# KiCad board Swadge-HW.kicad_pcb (continued)
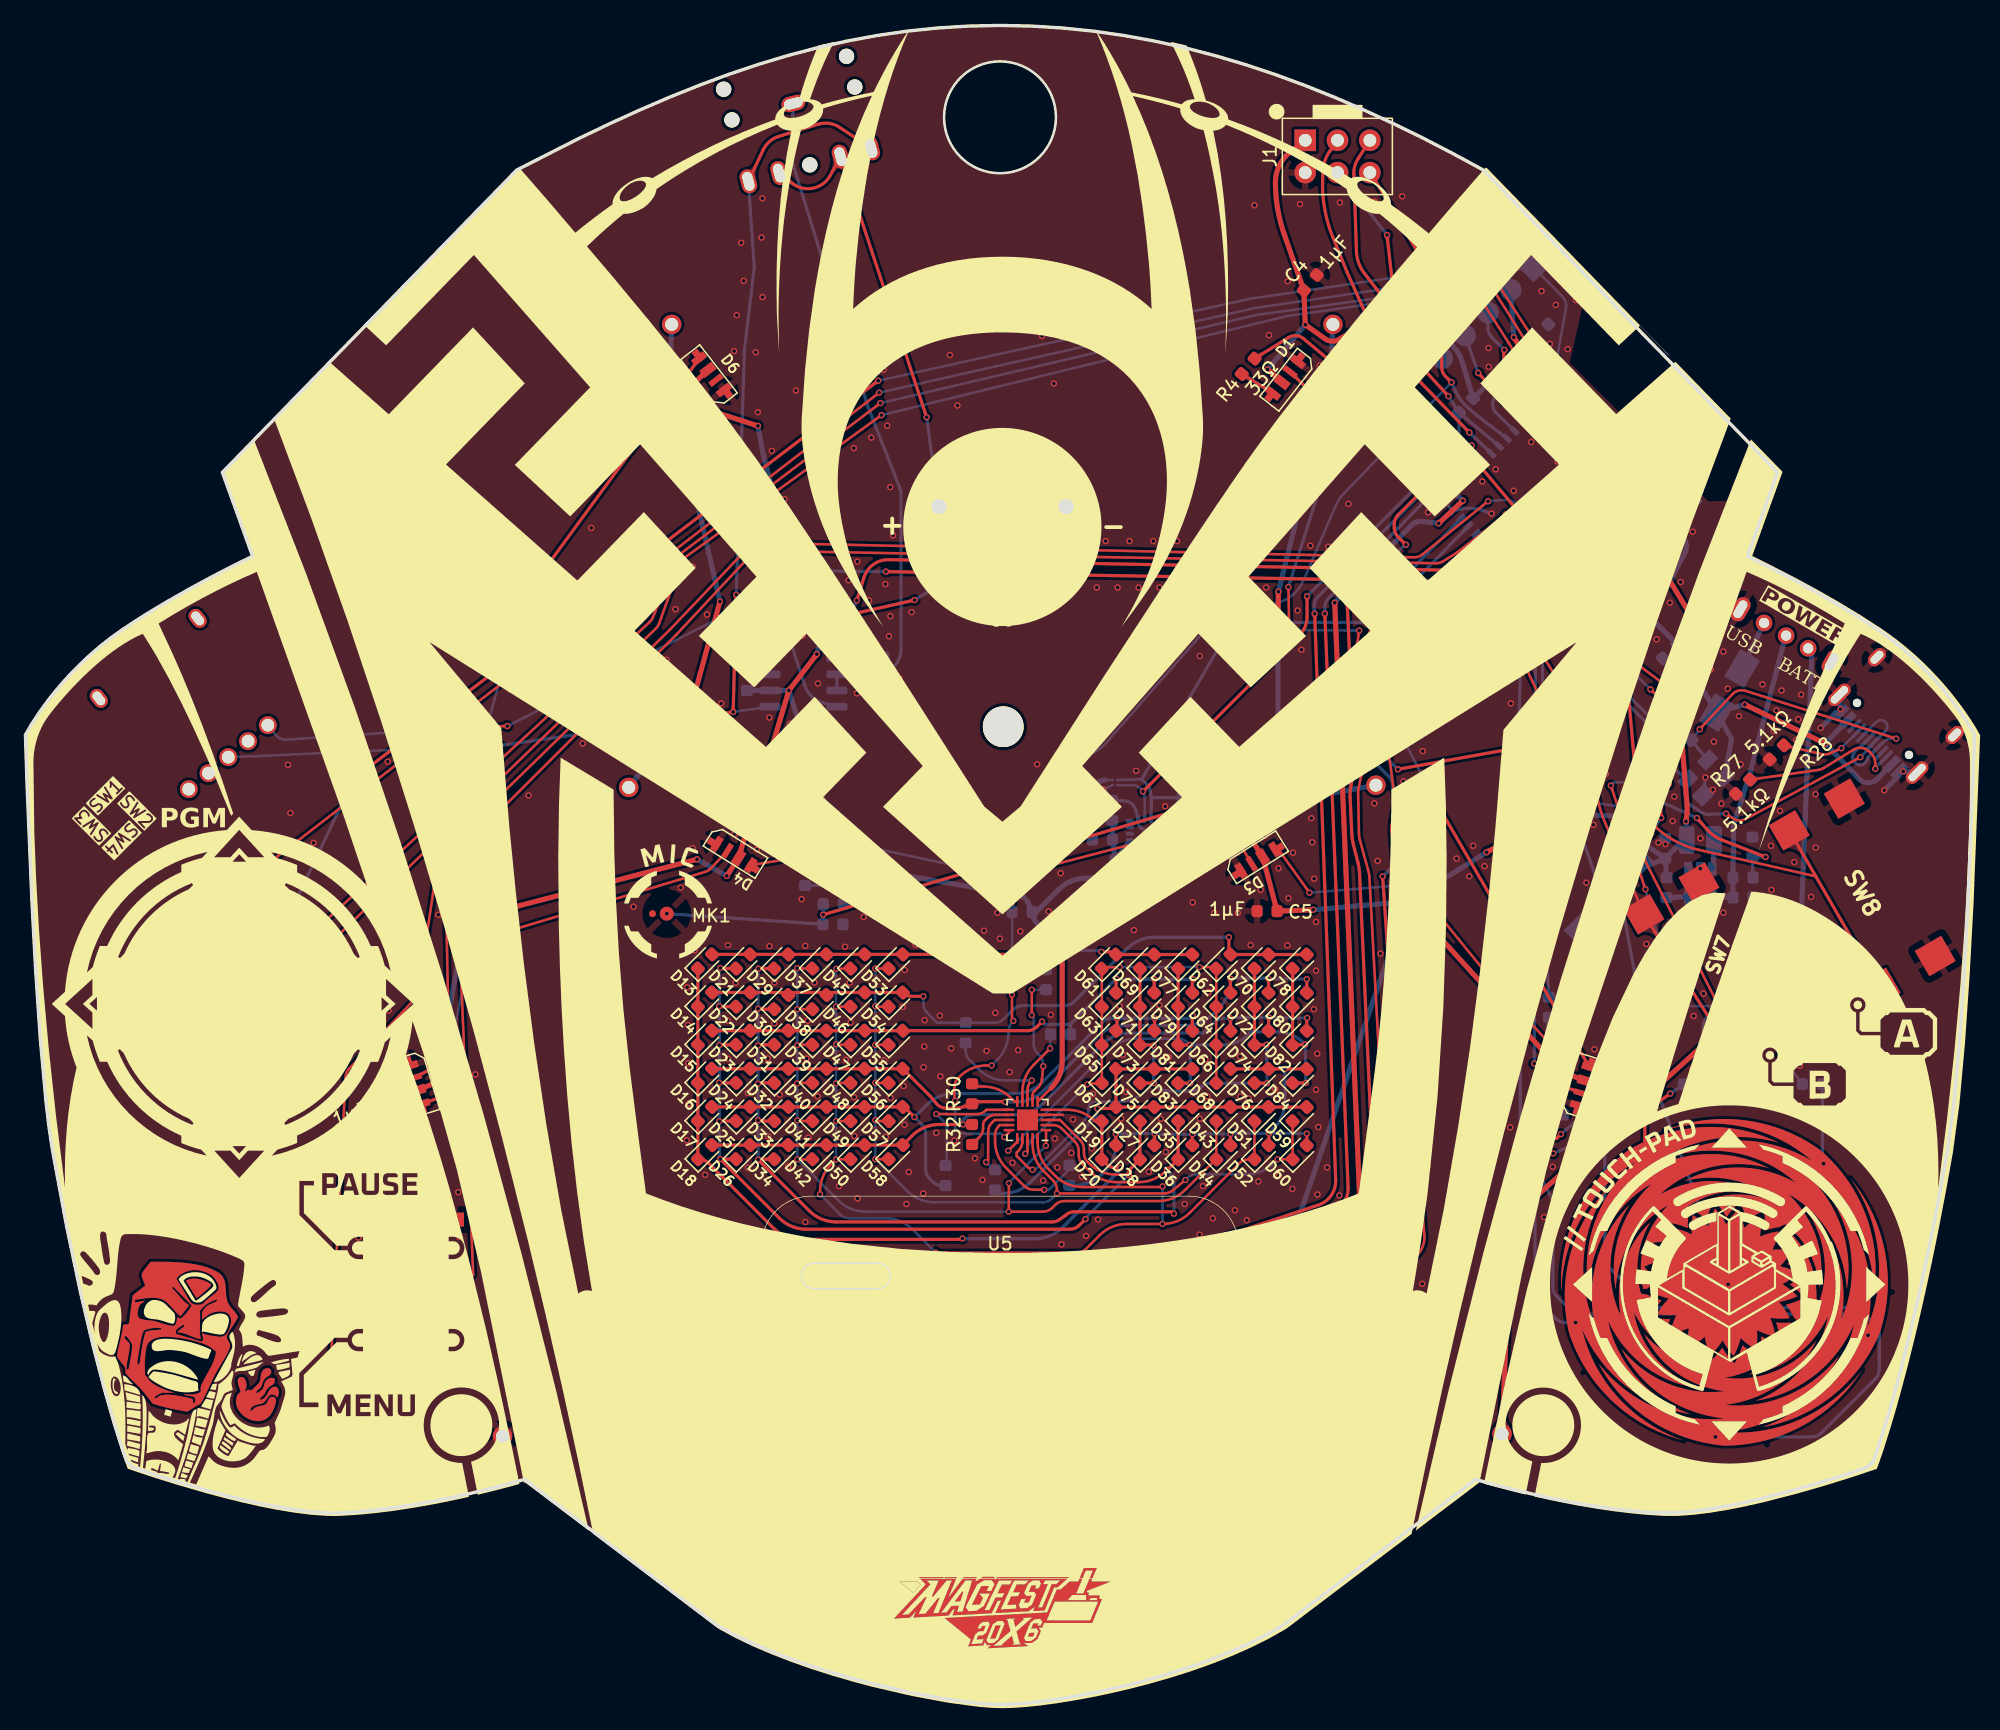
[diagram p0: board, top side]
## Library data of the parts (continued)
U3 = -: Datasheet: https://www.lcsc.com/datasheet/C42420805.pdf; Description: M3410LB-N; Substitutable: Yes; Notes: May be FP6396, M3406, LP3220S, etc...; Cost100: 6.19; LCSC: C42420805; Cost @ 2.5k: 0.0237
U5 = -: Datasheet: https://datasheet.lcsc.com/lcsc/2206141915_HCTL-HC-FPC-03-10-15RLTAG_C3012328.pdf; Digikey: A141392TR-ND; Cost100: 6; Substitutable: Y; LCSC: C3012328; Cost @ 2.5k: 0.0688
U6 = -: Datasheet: https://datasheet.lcsc.com/lcsc/2102261805_STMicroelectronics-LSM6DS3TR-C_C967633.pdf; LCSC: C967633; Cost @ 2.5k: 0.5171
U7 = -: Datasheet: https://datasheet.lcsc.com/lcsc/2110111830_UMW-Youtai-Semiconductor-Co---Ltd--XC6206P282MR_C347374.pdf; LCSC: C347374; Substitutable: Y; Cost @ 2.5k: 0.0123
U8 = -: Datasheet: https://www.lcsc.com/datasheet/lcsc_datasheet_2202252130_Shenzhen-Fuman-Elec-FM8002A_C94625.pdf; Description: Mono Audio Amplifier; LCSC: C94625; Cost @ 2.5k: 0.0258
U9 = -: Datasheet: https://www.lcsc.com/datasheet/lcsc_datasheet_2007231713_INGHAi-GSPK2307P-8R1W_C530531.pdf; Digikey: 102-2500-ND; Substitutable: Y; Cost100: 54; LCSC: C530531; Cost @ 2.5k: 0.412
U10 = -: Datasheet: https://www.lcsc.com/datasheet/lcsc_datasheet_2405091102_QST-QMC6309_C5439871.pdf; Description: 3D MAGNETIC SENSOR 3V3; Cost100: 0.2184; Substitutable: N; LCSC: C5439871
U11 = -: LCSC: C5299908; Cost100: 0.12

## Footprints (pads in the part's own frame, mm; a bottom-side part is the same pattern mirrored in y, then rotated)
2460
  round 1.53 hole 1.02: 1(25.995,0) 2(-25.995,0)
1825232-1
  round 1.3 hole 0.8: 1(-2,0) 2(0,0) 3(2,0)
  oval 1.2x2 hole 0.7x1.5: 4(-4.15,0) 5(4.15,0)
B3FS4002P
  rect 2.3x2.4 smd: 1(6.025,-2.5) 2(-8.275,-2.5) 3(6.025,2.5) 4(-8.275,2.5)
BGA-4-.83x.83
  custom 0.22x0.22 smd: A1(-0.2,0.2) A2(0.2,0.2) B1(-0.2,-0.2) B2(0.2,-0.2)
C_0603_1608Metric
  rrect 0.875x0.95 smd: 1(-0.787,0) 2(0.787,0)
C_Radial_D6.3_L5.8_P5.34
  rect 3.5x1.2 smd: 1(-2.67,0) 2(2.67,0)
D_SMA
  rect 2.5x1.8 smd: 1(-2,0) 2(2,0)
ESP32-S2-MINI-1
  rect 0.8x0.4 smd: 1(-7,5.95) 2(-7,5.1) 3(-7,4.25) 4(-7,3.4) 5(-7,2.55) 6(-7,1.7) 7(-7,0.85) 8(-7,0) 9(-7,-0.85) 10(-7,-1.7) 11(-7,-2.55) 12(-7,-3.4) 13(-7,-4.25) 14(-7,-5.1) 15(-7,-5.95) 31(7,-5.95) 32(7,-5.1) 33(7,-4.25) 34(7,-3.4) 35(7,-2.55) 36(7,-1.7) 37(7,-0.85) 38(7,0) 39(7,0.85) 40(7,1.7) 41(7,2.55) 42(7,3.4) 43(7,4.25) 44(7,5.1) 45(7,5.95)
  rect 0.4x0.8 smd: 16(-5.95,-7) 17(-5.1,-7) 18(-4.25,-7) 19(-3.4,-7) 20(-2.55,-7) 21(-1.7,-7) 22(-0.85,-7) 23(0,-7) 24(0.85,-7) 25(1.7,-7) 26(2.55,-7) 27(3.4,-7) 28(4.25,-7) 29(5.1,-7) 30(5.95,-7) 46(5.95,7) 47(5.1,7) 48(4.25,7) 49(3.4,7) 50(2.55,7) 51(1.7,7) 52(0.85,7) 53(0,7) 54(-0.85,7) 55(-1.7,7) 56(-2.55,7) 57(-3.4,7) 58(-4.25,7) 59(-5.1,7) 60(-5.95,7)
  rect 1.2x1.2 smd: 61(-1.65,-1.65) 61(-1.65,0) 61(0,-1.65) 61(0,0) 61(0,1.65) 61(1.65,-1.65) 61(1.65,0) 61(1.65,1.65)
  custom 1.2x1.2 smd: 61(-1.65,1.65)
  rect 0.8x0.8 smd: 62(-7,7) 63(-7,-7) 64(7,-7) 65(7,7)
HCTL HC-FPC-03-10-15RLTAG-TUCKED
  rect 0.3x0.9 smd far side: 1(-10.104,-4.272) 2(-10.404,-7.352) 3(-10.704,-4.272) 4(-11.004,-7.352) 5(-11.304,-4.272) 6(-11.604,-7.352) 7(-11.904,-4.272) 8(-12.204,-7.352) 9(-12.504,-4.272) 10(-12.804,-7.352) 11(-13.104,-4.272) 12(-13.404,-7.352) 13(-13.704,-4.272) 14(-14.004,-7.352) 15(-14.304,-4.272)
  rect 0.5x1.2 smd far side: 16(-9.404,-4.772) 17(-15.004,-4.772)
INGHAi GSPK2308P-8R0.5W
  round 1.524 hole 1.2: 1(-5,0) 2(5,0)
INGHAi_MIC_GMI4013S-2C58DB
  custom 2.8x0.55 smd: 1(-1.125,0)
  round 1.1 smd: 2(0,0)
L_1008_2520Metric
  rrect 1.25x2.2 smd: 1(-1.075,0) 2(1.075,0)
L_1210_3225Metric
  rrect 1.25x2.65 smd: 1(-1.4,0) 2(1.4,0)
LED_0603_1608Metric
  rrect 0.875x0.95 smd: 1(-0.788,0) 2(0.788,0)
LGA-14_3x2.5mm_P0.5mm_LayoutBorder3x4y
  rrect 0.625x0.3 smd: 1(-1.163,0.75) 2(-1.163,0.25) 3(-1.163,-0.25) 4(-1.163,-0.75) 8(1.163,-0.75) 9(1.163,-0.25) 10(1.163,0.25) 11(1.163,0.75)
  rrect 0.3x0.625 smd: 5(-0.5,-0.912) 6(0,-0.912) 7(0.5,-0.912) 12(0.5,0.912) 13(0,0.912) 14(-0.5,0.912)
MountingHole_3.2mm_M3
  round 3.2 hole 3.2 unplated: (0,0)
PinHeader_1x05_P2.54mm_Vertical
  rect 1.7x1.7 smd: 1(0,0)
  oval 1.7x1.7 smd: 2(0,-2.54) 3(0,-5.08) 4(0,-7.62) 5(0,-10.16)
PinSocket_2x03_P2.54mm_Vertical
  rect 1.7x1.7 hole 1: 1(0,0)
  oval 1.7x1.7 hole 1: 2(-2.54,0) 3(0,-2.54) 4(-2.54,-2.54) 5(0,-5.08) 6(-2.54,-5.08)
PJ-307C
  round 1.2 hole 1.2 unplated: (-5,2.5) (-5,0) (0,-5) (5,0) (5,2.5)
  oval 1.9x1.2 hole 1.5x0.8: 1(0,0)
  oval 1.2x1.9 hole 0.8x1.5: 2(5,-5) 3(2.5,-5) 4(-2.5,-5) 5(-5,-5)
QFN-20-1EP_3x3mm_P0.4mm_EP1.65x1.65mm
  rrect 0.67x0.67 smd: (-0.41,0.41) (-0.41,-0.41) (0.41,0.41) (0.41,-0.41)
  rrect 0.85x0.2 smd: 1(-1.45,0.8) 2(-1.45,0.4) 3(-1.45,0) 4(-1.45,-0.4) 5(-1.45,-0.8) 11(1.45,-0.8) 12(1.45,-0.4) 13(1.45,0) 14(1.45,0.4) 15(1.45,0.8)
  rrect 0.2x0.85 smd: 6(-0.8,-1.45) 7(-0.4,-1.45) 8(0,-1.45) 9(0.4,-1.45) 10(0.8,-1.45) 16(0.8,1.45) 17(0.4,1.45) 18(0,1.45) 19(-0.4,1.45) 20(-0.8,1.45)
  rect 1.65x1.65 smd: 21(0,0)
R_0603_1608Metric
  rrect 0.875x0.95 smd: 1(-0.787,0) 2(0.787,0)
RK10J11E0034
  oval 1.1x1.6 hole 0.7x1.2: (-5,2.5) (5,2.5)
  round 1.4 hole 1: (-2,-7.5) (2,-7.5) 1(-4,-7.5) 2(0,-7.5) 3(4,-7.5)
SK6812_SIDE_2
  rect 1x0.55 smd: 1(-1.8,0.075) 4(1.8,0.075)
  rect 0.55x1.2 smd: 1(-1.575,0) 4(1.575,0)
  rect 0.7x1.2 smd: 2(-0.45,0)
  rect 0.45x1.2 smd: 3(0.575,0)
SOP-8_3.9x4.9mm_P1.27mm
  rrect 1.65x0.6 smd: 1(-2.625,1.905) 2(-2.625,0.635) 3(-2.625,-0.635) 4(-2.625,-1.905) 5(2.625,-1.905) 6(2.625,-0.635) 7(2.625,0.635) 8(2.625,1.905)
SOT-23
  rect 0.9x0.8 smd: 1(-1,0.95) 2(-1,-0.95) 3(1,0)
SOT-23-5
  rect 1.06x0.65 smd: 1(-1.1,0.95) 2(-1.1,0) 3(-1.1,-0.95) 4(1.1,-0.95) 5(1.1,0.95)
SOT-143
  rect 1.4x1.2 smd: 1(-1.1,0.77)
  rect 1.4x1 smd: 2(-1.1,-0.95) 3(1.1,-0.95) 4(1.1,0.95)
Touchpad_6_70
  custom 16.619x13.527 smd: 1(7.796,9.336)
  custom 17.128x13.031 smd: 2(-6.704,9.836)
  custom 11.154x19.907 smd: 3(-11.704,-3.164)
  custom 20.762x9.691 smd: 4(-0.704,-12.164)
  custom 10.947x19.585 smd: 5(11.296,-4.164)
  custom 11.598x11.592 smd: 6(0.296,-0.164)
USB_C_Receptacle_HRO_TYPE-C-31-M-12
  round 0.65 hole 0.65 unplated: (-2.89,2.6) (2.89,2.6)
  rect 0.6x1.45 smd: A1_B12(-3.25,4.045) A4_B9(-2.45,4.045) A9_B4(2.45,4.045) A12_B1(3.25,4.045)
  rect 0.3x1.45 smd: A5(-1.25,4.045) A6(-0.25,4.045) A7(0.25,4.045) A8(1.25,4.045) B5(1.75,4.045) B6(0.75,4.045) B7(-0.75,4.045) B8(-1.75,4.045)
  oval 1x1.6 hole 0.6x1.2: S1(-4.32,-1.05) S1(4.32,-1.05)
  oval 1x2.1 hole 0.6x1.7: S1(-4.32,3.13) S1(4.32,3.13)
YTS-D003-1A
  rect 1.5x1.1 smd: 1(-4,2.25) 2(4,2.25) 3(-4,-2.25) 4(4,-2.25)

## Nets
3V3: C2.1 C3.1 C4.1 C5.1 C6.1 C10.1 C11.1 C15.1 C16.1 C17.1 C21.1 C26.1 D1.2 D2.2 D3.2 D4.2 D5.2 D6.2 J1.1 L3.1 Q1.2 R1.1 R2.2 R5.1 R6.2 R7.1 R8.2 R18.1 R25.2 R35.2 U1.3 U6.5 U6.12 U7.3 U8.6 U10.B1 U11.6
5VIN: D11.4 D12.2 J3.2 P1.A4_B9 P1.A9_B4
+5V: D12.1 SW9.1
GND: BT1.2 C1.2 C2.2 C3.2 C4.2 C5.2 C6.2 C7.2 C9.1 C10.2 C11.2 C12.2 C13.2 C14.1 C15.2 C16.2 C17.2 C19.2 C20.2 C21.2 C22.2 C23.2 C25.2 C26.2 D1.4 D2.4 D3.4 D4.4 D5.4 D6.4 D10.2 D11.1 J1.2 J3.5 MK1.1 P1.A1_B12 P1.A12_B1 P1.S1 R19.1 R22.2 R24.1 R26.2 R27.1 R28.1 SW1.3 SW1.4 SW2.3 SW2.4 SW3.3 SW3.4 SW4.3 SW4.4 SW5.3 SW5.4 SW6.3 SW6.4 SW7.3 SW7.4 SW8.3 SW8.4 SW9.4 SW9.5 U1.1 U1.2 U1.30 U1.42 U1.43 U1.46 U1.47 U1.48 U1.49 U1.50 U1.51 U1.52 U1.53 U1.54 U1.55 U1.56 U1.57 U1.58 U1.59 U1.60 U1.61 U1.62 U1.63 U1.64 U1.65 U3.2 U5.1 U5.6 U5.9 U5.12 U5.13 U5.16 U5.17 U6.1 U6.2 U6.3 U6.6 U6.7 U7.1 U8.7 U10.A1 U11.4 U11.21
BATTMID: BT1.1 BT2.2
BATTMID2: BT2.1 BT3.2
BATTPLUS: BT3.1 SW9.3
BTN_1: J3.1 SW1.1 SW1.2 U1.4
BTN_2: SW2.1 SW2.2 U1.5
BTN_3: SW3.1 SW3.2 U1.6
BTN_4: SW4.1 SW4.2 U1.8
BTN_5: SW5.1 SW5.2 U1.9
BTN_6: SW6.1 SW6.2 U1.12
BTN_7: SW7.1 SW7.2 U1.19
BTN_8: SW8.1 SW8.2 U1.20
C0: D13.1 D14.1 D15.1 D16.1 D17.1 D18.1 D19.1 D20.1 U11.5
C1: D21.1 D22.1 D23.1 D24.1 D25.1 D26.1 D27.1 D28.1 U11.3
C2: D29.1 D30.1 D31.1 D32.1 D33.1 D34.1 D35.1 D36.1 U11.2
C3: D37.1 D38.1 D39.1 D40.1 D41.1 D42.1 D43.1 D44.1 U11.1
C4: D45.1 D46.1 D47.1 D48.1 D49.1 D50.1 D51.1 D52.1 U11.20
C5: D53.1 D54.1 D55.1 D56.1 D57.1 D58.1 D59.1 D60.1 U11.19
C6: D61.1 D62.1 D63.1 D64.1 D65.1 D66.1 D67.1 D68.1 U11.18
C7: D69.1 D70.1 D71.1 D72.1 D73.1 D74.1 D75.1 D76.1 U11.17
C8: D77.1 D78.1 D79.1 D80.1 D81.1 D82.1 D83.1 D84.1 U11.16
CC1: P1.A5 R28.2
CC2: P1.B5 R27.2
EN: C1.1 R1.2 U1.45
GPIO40: J1.5 U1.36
GPIO42: J1.6 R35.1 U1.38 U11.15
LCD28: C19.1 C23.1 C25.1 U5.2 U5.10 U7.2
LED: R4.2 U1.35
MIC: C9.2 MK1.2 R3.2 U1.11
R0: D13.2 D21.2 D29.2 D37.2 D45.2 D53.2 D61.2 D69.2 D77.2 R20.1
R1: D14.2 D22.2 D30.2 D38.2 D46.2 D54.2 D62.2 D70.2 D78.2 R23.1
R2: D15.2 D23.2 D31.2 D39.2 D47.2 D55.2 D63.2 D71.2 D79.2 R29.1
R3: D16.2 D24.2 D32.2 D40.2 D48.2 D56.2 D64.2 D72.2 D80.2 R30.1
R4: D17.2 D25.2 D33.2 D41.2 D49.2 D57.2 D65.2 D73.2 D81.2 R31.2
R5: D18.2 D26.2 D34.2 D42.2 D50.2 D58.2 D66.2 D74.2 D82.2 R32.2
R6: D19.2 D27.2 D35.2 D43.2 D51.2 D59.2 D67.2 D75.2 D83.2 R33.2
R7: D20.2 D28.2 D36.2 D44.2 D52.2 D60.2 D68.2 D76.2 D84.2 R34.2
RX: J3.4 U1.40
SCL: J1.4 R6.1 U1.37 U6.13 U10.A2
SDA: J1.3 R18.2 U1.7 U6.14 U10.B2
SNODE: C7.1 R21.2 SW9.2 U3.1 U3.4
SPK: C18.2 U1.21
SPK_SHDN: R5.2 U1.22 U8.1
TFT_CS: U1.29 U5.3
TFT_FMARK: U1.28 U5.11
TFT_LEDA: C22.1 L1.2 U5.14 U5.15
TFT_RESET: U1.34 U5.4
TFT_RS: R26.1 U1.25 U5.5
TFT_SCL: U1.32 U5.7
TFT_SDA: U1.33 U5.8
TFTATP: Q1.1 R7.2 U1.31
TOUCH_1: R10.1 U1.13
TOUCH_2: R11.1 U1.14
TOUCH_3: R17.1 U1.15
TOUCH_4: R16.1 U1.16
TOUCH_5: R12.1 U1.17
TOUCH_6: R15.1 U1.18
TX: J3.3 U1.39
USB_D+: R13.1 U1.24
USB_D-: R14.1 U1.23
VMON: R21.1 R22.1 U1.10
Net-(C18-Pad1): C18.1 R9.1
Net-(C20-Pad1): C20.1 R2.1 R3.1
Net-(D1-IN): D1.1 R4.1
Net-(D1-OUT): D1.3 D2.1
Net-(D2-OUT): D2.3 D3.1
Net-(D3-OUT): D3.3 D4.1
Net-(D4-OUT): D4.3 D5.1
Net-(D5-OUT): D5.3 D6.1
Net-(D6-OUT): D6.3
Net-(D10-K): D10.1 L1.1 Q1.3
Net-(J2-Pad1): J2.1 R19.2
Net-(P1-DN1): D11.2 P1.A7 P1.B7 R14.2
Net-(P1-DP1): D11.3 P1.A6 P1.B6 R13.2
Net-(U3-FB): R24.2 R25.1 U3.5
Net-(U3-LX): L3.2 U3.3
Net-(U4-Bottom): R10.2 U4.1
Net-(U4-Center): R17.2 U4.6
Net-(U4-Left): R16.2 U4.5
Net-(U4-Right): R11.2 U4.2
Net-(U4-Top_Left): R15.2 U4.4
Net-(U4-Top_Right): R12.2 U4.3
Net-(U6-VDD): C12.1 C13.1 R8.1 U6.8
Net-(U8-Bypass): C14.2 U8.2 U8.3
Net-(U8-IN-): R9.2 RV1.1 U8.4
Net-(U8-VO1): J2.2 J2.5 RV1.2 U8.5
Net-(U8-VO2): U8.8 U9.2
Net-(U9-+): J2.3 J2.4 U9.1
Net-(U11-PC0/T2CH3/UTX/NSS/T1CH3): R20.2 U11.7
Net-(U11-PC1/SDA/NSS/T2CH4/T2CH1ETR/T1BKIN/URX): R23.2 U11.8
Net-(U11-PC2/SCL/URTS/T1BKIN/AETR/T2CH2/T1ETR): R29.2 U11.9
Net-(U11-PC3/T1CH3/T1CHIN/UCTS): R30.2 U11.10
Net-(U11-PC4/A2/T1CH4/MCO/T1CH1CH2N): R31.1 U11.11
Net-(U11-PC5/SCK/T1ETR/T2CH1ETR/SCL/UCK/T1CH3): R32.1 U11.12
Net-(U11-PC6/MOSI/T1CH1CH3/UCTS/SDA): R33.1 U11.13
Net-(U11-PC7/MISO/T1CH2/T2CH2/URTS): R34.1 U11.14

Pads without a net: P1 A8 B8; RV1 3; U1 26 27 41 44; U6 4 9 10 11

## Via types
v1: diameter 0.5, hole 0.3, Top to Bottom, 846 vias

## Routing (per net, layer and track width the routed paths; a pad name or vN(x,y) marks a point on that pad's centre or on a via; arc(x,y) is an arc through that point)
3V3: length 380.7
  Top w0.2: U11.6 80.64,48.49
  Top w0.4: 53.77,105.09 52.47,103.86 arc(52.18,102.94) 52.79,102.2 53.63,101.87 v1(57.6,100.59) ; D2.2 121.05,49.7 arc(120.84,49.81) 120.65,49.97 v1(108.66,63.18) ; v1(96.25,68.28) 97.02,67.09 arc(97.25,66.67) 97.41,66.22 C5.1 v1(101.26,62.53) ; 98.81,104.05 v1(97.66,105.03) ; v1(62.23,82.64) v1(60.03,79.78) 56.2,67.04 arc(56.05,66.64) 55.85,66.27 v1(55.15,65.19) ; 100.68,123.08 99.46,122.15 arc(98.59,121.1) 98.28,119.77 98.28,119.77 arc(98.46,117.68) 98.98,115.65 C4.1 v1(100.63,108.55) 102.19,107.44 arc(102.74,107.25) 103.3,107.4 v1(104.96,108.43) ; v1(130.57,69.48) 130.65,70.15 arc(130.66,70.44) 130.66,70.73 v1(130.03,78.46) ; v1(119.81,100.28) v1(117.72,103.43) ; v1(120.43,70.08) v1(114.89,67.05) ; C17.1 D5.2 v1(32.26,48.93) ; v1(126.84,67.99) v1(126.27,69.86) ; v1(128.55,93.58) 125.38,95.88 arc(125.25,95.99) 125.14,96.12 v1(122.44,100.48) ; v1(99.38,36.19) v1(88.64,30.1) ; v1(34.65,61.76) v1(52.81,66.5) ; v1(60.33,89.13) v1(61.69,86.05) ; v1(80.08,60.94) 80.08,60.86 80.64,60.3 arc(81.29,59.32) 81.52,58.18 81.52,50.61 arc(81.29,49.47) 80.64,48.49
  Bottom w0.2: U10.B1 84.92,72.73
  Bottom w0.25: R8.2 86.36,71.11 arc(86.95,70.9) 87.3,70.38 U6.12 87.51,69.32 arc(87.58,69.11) 87.73,68.95 88.29,68.61 arc(88.43,68.47) 88.48,68.29 U6.5 88.55,67.75 arc(88.77,67.47) 89.09,67.3 89.21,67.27 arc(89.4,67.19) 89.58,67.07 C10.1
  Bottom w0.4: R35.2 78.83,63.1 arc(78.53,63.48) 78.08,63.68 R2.2 v1(60.03,79.78) U8.6 C15.1 ; R35.2 79.48,62.36 81.25,64.13 arc(82.22,64.78) 83.37,65.01 87.64,65.01 arc(88.79,65.24) 89.76,65.89 C10.1 R18.1 v1(96.25,68.28) ; R35.2 79.16,62.27 arc(79.24,61.89) 79.45,61.57 v1(80.08,60.94) ; C16.1 U7.3 ; U7.3 v1(88.64,30.1) ; U7.3 87.28,26.47 arc(86.61,24.87) 85.12,24.01 R7.1 Q1.2 C11.1 ; v1(32.26,48.93) v1(34.65,61.76) ; v1(101.26,62.53) v1(108.66,63.18) ; v1(108.66,63.18) v1(99.38,36.19) ; v1(108.66,63.18) v1(114.89,67.05) ; C26.1 C6.1 ; C6.1 130.39,68.02 L3.1 v1(130.57,69.48) ; C6.1 v1(126.84,67.99) ; C6.1 R25.2 ; v1(104.96,108.43) 109.4,109.12 arc(109.88,109.1) 110.29,108.85 112.18,106.94 arc(112.67,106.31) 112.99,105.57 R6.2 R1.1 v1(117.72,103.43) ; v1(126.27,69.86) v1(120.43,70.08) ; v1(128.55,93.58) U1.3 130.3,91.83 arc(130.59,91.27) 130.5,90.65 C3.1 C2.1 v1(130.03,78.46) ; v1(61.69,86.05) R5.1 v1(62.23,82.64) ; v1(60.33,89.13) 57.99,98.45 arc(57.98,98.48) 57.97,98.51 v1(57.6,100.59) ; v1(97.66,105.03) v1(100.63,108.55) ; v1(52.81,66.5) v1(55.15,65.19) ; R8.2 C21.1 83.93,71.73 arc(84.22,72.43) 84.92,72.73 ; v1(122.44,100.48) v1(119.81,100.28)
5VIN: length 62.6
  Top w0.4: v1(132.16,83.69) 127.58,91.22 arc(127.47,91.39) 127.35,91.55 125.29,94.1 arc(125.17,94.25) 125.07,94.42 v1(117.03,107.57) ; v1(135.19,78.67) v1(141.51,75.61)
  Bottom w0.4: v1(135.19,78.67) D12.2 ; D12.2 131.52,80.44 v1(132.16,83.69) ; D12.2 134.15,75.96 133.6,72.96 ; P1.A4_B9 v1(141.51,75.61) 144.17,72.83 arc(144.89,72.52) 145.61,72.82 P1.A9_B4 ; J3.2 v1(117.03,107.57)
+5V: length 4
  Bottom w0.4: SW9.1 D12.1
GND: length 27.8
  Top w0.2: U11.21 78.9,46.1 arc(79.22,46.32) 79.6,46.39 U11.4 81.58,46.39
  Bottom w0.2: v1(67.89,20.79) 67.29,20.19 U5.16 U5.1 66.54,19.77 65.78,19.63 ; U10.A1 v1(84.75,72)
  Bottom w0.25: v1(132.09,72.94) D11.1 132.34,71.96 v1(132.69,71.96) ; U6.6 U6.7 C12.2 C10.2 ; U1.64 U1.30 112.92,94.06 arc(113.72,94.12) 114.51,93.96 v1(115.28,93.7) ; v1(128.4,67.81) 128.74,68.15 C6.2 128.95,68.15 v1(128.95,67.69) ; v1(65.02,17.61) v1(65.04,16.76)
  Bottom w0.4: P1.S1 v1(142.72,78.31) P1.A1_B12 142.35,78.03 v1(141.15,76.83) ; U8.7 C15.2 ; v1(146.16,71.93) 147.33,73.11 P1.A12_B1 v1(147.65,73.41) P1.S1
  vias: v1(9.03,55.6) v1(10.92,57.47) v1(13.96,48.77) v1(14.19,60.28) v1(15.74,66.17) v1(16.81,55.06) v1(17.59,63.8) v1(17.69,52.24) v1(20.64,73.93) v1(20.82,70.14) v1(20.83,56.76) v1(22.07,55.66) v1(22.33,50.16) v1(22.54,52.44) v1(22.65,67.79) v1(23.8,75.47) v1(24.18,76.96) v1(25.34,54.43) v1(25.53,32.36) v1(25.68,64.91) v1(26.05,49.34) v1(26.19,36.74) v1(26.63,74.34) v1(26.72,52.4) v1(27.23,25.76) v1(27.96,62.75) v1(28.48,74.18) v1(28.55,54.6) v1(29.19,48.93) v1(29.82,77.34) v1(29.9,46.67) v1(29.95,56.4) v1(30.62,75.8) v1(31.41,74.47) v1(31.53,55.39) v1(32.23,25.66) v1(32.3,78.98) v1(32.37,70.89) v1(32.46,62.14) v1(33.28,77.81) v1(33.71,49.2) v1(34.03,40.31) v1(34.1,36.81) v1(34.21,34.81) v1(34.41,32.53) v1(34.69,66.58) v1(34.81,62.75) v1(34.84,28.74) v1(35.07,74.41) v1(35.38,49.58) v1(35.6,40.33) v1(35.67,77.65) v1(35.68,59.18) v1(37.17,82.61) v1(38.07,79.88) v1(39.44,84.23) v1(39.56,71.52) v1(42.66,83.26) v1(43,94.11) v1(43.82,75.61) v1(44.49,92.57) v1(44.85,88.41) v1(45.53,85.06) v1(45.56,77.43) v1(47.01,90) v1(47.81,62.77) v1(48.71,108.81) v1(49.41,103.01) v1(49.61,88.6) v1(50.4,82.2) v1(50.44,100.84) v1(51.11,86.18) v1(51.53,64.26) v1(51.6,105.19) v1(52.03,56.42) v1(52,44.39) v1(52.09,53.46) v1(52.12,50.46) v1(52.16,47.28) v1(52.46,89.52) v1(52.46,67.37) v1(52.62,59.34) v1(53.44,41.67) v1(53.59,85.75) v1(54.2,77.19) v1(54.69,78.76) v1(54.96,84.76) v1(55.24,59.75) v1(55.24,53.8) v1(55.24,50.81) v1(55.72,106.48) v1(55.77,68.5) v1(55.84,56.78) v1(55.93,109.31) v1(56.28,115) v1(56.48,112) v1(56.75,82.92) v1(56.81,48.11) v1(56.81,42.23) v1(57.1,98.04) v1(57.42,106.38) v1(57.51,67.26) v1(57.59,101.67) v1(57.76,89.89) v1(57.87,115.41) v1(57.95,118.5) v1(57.95,110.73) v1(58.3,93.92) v1(58.26,86.29) v1(58.37,50.83) v1(58.4,44.71) v1(58.49,77.65) v1(58.5,59.67) v1(58.63,92.17) v1(58.69,98.63) v1(58.89,56.81) v1(58.88,53.59) v1(59.09,35.9) v1(59.31,47.98) v1(59.47,83.45) v1(59.69,94.83) v1(59.97,42.32) v1(60.11,77.16) v1(60.58,103.38) v1(60.57,92.03) v1(60.61,85.65) v1(61.03,63.36) v1(61.12,84.11) v1(61.32,59.69) v1(61.33,37.96) v1(61.43,50.83) v1(61.51,53.8) v1(61.58,44.61) v1(61.57,22.29) v1(61.66,78.28) v1(61.75,18.51) v1(61.91,104.28) v1(62.04,56.8) v1(62.32,80.33) v1(62.28,47.86) v1(62.45,101.41) v1(62.61,86.15) v1(62.67,67.82) v1(63.09,22.56) v1(63.28,105.26) v1(63.26,24.95) v1(63.59,19.07) v1(63.68,102.43) v1(63.97,40.79) v1(64.37,26.55) v1(64.45,59.62) v1(64.51,50.72) v1(64.72,88.45) v1(64.74,68.45) v1(64.82,56.79) v1(64.87,103.47) v1(64.88,53.66) v1(65.14,98.85) v1(65.15,47.79) v1(65.18,44.73) v1(65.41,89.92) v1(65.38,79.55) v1(65.43,39.82) v1(65.46,85.19) v1(65.91,61.96) v1(66.19,24.89) v1(66.2,22.71) v1(66.33,86.86) v1(66.52,107.29) v1(66.51,99.67) v1(67.16,18.32) v1(67.48,105.01) v1(67.52,50.69) v1(67.62,88.15) v1(67.66,44.66) v1(67.76,100.61) v1(67.9,84.04) v1(68,95.78) v1(68.01,85.63) v1(68.02,47.73) v1(68.22,91.98) v1(68.38,62.73) v1(68.7,26.62) v1(68.75,80.69) v1(68.98,54.88) v1(69.05,48.66) v1(69.12,45.61) v1(69.11,20.17) v1(69.14,57.79) v1(69.27,39.38) v1(69.46,41.9) v1(69.54,24.96) v1(69.66,91.92) v1(69.68,85.94) v1(70,59.77) v1(70.57,61.96) v1(70.62,50.13) v1(70.6,40.21) v1(70.71,53.84) v1(70.68,51.77) v1(70.79,95.5) v1(70.8,88.28) v1(71.14,18.81) v1(71.38,22.57) v1(71.62,44.98) v1(71.9,54.2) v1(71.87,24.98) v1(71.94,49.43) v1(72.13,21.35) v1(72.22,62.58) v1(72.55,26.47) v1(72.69,106.17) v1(72.79,51.63) v1(73.02,18.66) v1(73.05,44.37) v1(73.13,29.36) v1(73.14,21.02) v1(73.28,102.2) v1(74.37,87.88) v1(74.38,58.35) v1(74.56,27.93) v1(74.66,42.98) v1(75.26,41.28) v1(75.37,60.88) v1(75.57,51.43) v1(75.83,31.18) v1(76.01,87.88) v1(76.26,54.42) v1(76.43,62.29) v1(76.62,60.26) v1(77.39,49.76) v1(77.49,30.33) v1(77.61,42.63) v1(77.66,87.88) v1(77.93,67.51) v1(78.05,51.49) v1(78.23,60.83) v1(79.3,87.88) v1(79.24,28.24) v1(79.35,93.78) v1(79.55,73.97) v1(79.61,25.82) v1(79.82,68.06) v1(79.93,107.67) v1(80.02,41.23) v1(80.45,62.4) v1(80.63,54.26) v1(80.86,103.93) v1(80.95,87.88) v1(80.95,44.53) v1(81.13,42.26) v1(81.36,72.86) v1(81.4,65.41) v1(81.47,36.2) v1(81.47,30.72) v1(81.48,27.02) v1(81.86,60.33) v1(82.24,43.4) v1(82.37,46.03) v1(82.59,87.88) v1(82.92,62.18) v1(83.07,91.53) v1(83.08,41.54) v1(83.06,30.76) v1(83.4,36.87) v1(83.37,26.31) v1(83.93,48.02) v1(83.84,43.76) v1(84.18,34.3) v1(84.24,87.88) v1(84.34,38.16) v1(84.68,32.05) v1(84.94,91.53) v1(85.88,87.88) v1(86.04,54.96) v1(86.15,46.09) v1(86.29,51.12) v1(86.37,29.56) v1(86.56,48.2) v1(86.81,91.53) v1(87.16,60.93) v1(87.33,73.46) v1(87.53,87.88) v1(88.03,66.45) v1(88.33,41.92) v1(88.68,91.53) v1(89.03,109.77) v1(89.17,87.88) v1(89.17,55.01) v1(89.28,46.08) v1(89.37,63.94) v1(89.61,70.67) v1(89.67,43.47) v1(89.79,74.81) v1(89.79,32.1) v1(89.9,50.94) v1(90.13,67.82) v1(90.35,106.3) v1(90.37,26.15) v1(90.54,91.53) v1(90.82,87.88) v1(91.15,39.38) v1(91.42,83.88) v1(91.78,63.11) v1(92.03,28.53) v1(92.32,36.97) v1(92.41,91.53) v1(92.34,82.49) v1(92.34,46.08) v1(92.46,87.88) v1(92.59,40.79) v1(92.79,50.74) v1(93.01,56.07) v1(92.94,47.85) v1(93.37,38.26) v1(93.48,62.29) v1(93.96,68.54) v1(94.1,87.88) v1(94.28,91.53) v1(95.1,38.89) v1(95.33,62.27) v1(95.42,69.95) v1(95.38,28.47) v1(95.5,50.99) v1(95.54,47.83) v1(95.75,87.88) v1(95.87,84.2) v1(95.97,56.23) v1(96.04,38.1) v1(96.15,91.53) v1(96.17,47.68) v1(96.33,59.75) v1(96.63,117.95) v1(96.86,30.96) v1(96.94,41.15) v1(97.12,64.1) v1(97.45,68.35) v1(97.55,87.88) v1(97.78,107.73) v1(97.8,85.76) v1(98.02,91.53) v1(98.28,48.41) v1(98.26,36.61) v1(98.53,65.79) v1(98.54,41.59) v1(99.23,59.73) v1(99.25,111.98) v1(99.31,63.43) v1(99.3,32.19) v1(99.62,40.57) v1(99.67,67.02) v1(100.03,86.07) v1(100.21,118.04) v1(100.16,30.75) v1(100.33,82.98) v1(100.48,74.5) v1(100.72,78.22) v1(101.03,91.17) v1(101.11,69.73) v1(101.18,67.84) v1(101.33,64.97) v1(101.31,54.71) v1(101.48,61.57) v1(101.48,57.74) v1(101.48,48.37) v1(101.58,51.21) v1(101.59,40.13) v1(101.66,97.34) v1(101.67,45.43) v1(101.78,105.35) v1(102.43,91.09) v1(102.35,42.25) v1(102.76,31.22) v1(102.91,102.06) v1(102.95,34.01) v1(103.31,40.05) v1(103.35,118.17) v1(103.63,106.78) v1(103.89,38.69) v1(104.03,94.46) v1(105.13,37.94) v1(105.64,106.89) v1(106.09,118.24) v1(106.06,70.9) v1(106.21,109.35) v1(106.32,66.38) v1(106.28,37.28) v1(106.54,59.09) v1(106.9,53.32) v1(107.05,103.72) v1(107.15,81.56) v1(107.43,44.66) v1(107.6,36.69) v1(107.81,75.2) v1(108.2,51.88) v1(108.25,118.65) v1(108.33,68.8) v1(108.36,72.63) v1(108.38,65.32) v1(108.83,101.86) v1(108.76,44.62) v1(108.99,61.48) v1(109.07,36.07) v1(109.3,113.25) v1(109.4,54.61) v1(109.75,48.45) v1(109.83,33.1) v1(109.87,75.01) v1(109.88,65.25) v1(109.99,99.55) v1(110.07,109.86) v1(110.29,93.79) v1(110.25,42.37) v1(110.38,107.33) v1(110.54,73.31) v1(111.02,63.68) v1(111.58,99.01) v1(111.74,86.46) v1(111.92,108.49) v1(112.53,66.56) v1(113.53,65.16) v1(113.59,110.18) v1(113.74,90.6) v1(113.83,67.56) v1(114.04,114.02) v1(114.55,96.22) v1(114.73,65.96) v1(115.04,106.72) v1(115.06,105.23) v1(115.61,97.18) v1(115.75,113.47) v1(116.24,91.5) v1(116.52,86.83) v1(116.67,74.53) v1(116.73,67.06) v1(116.68,59.87) v1(116.64,56.44) v1(116.71,53.15) v1(116.8,78.76) v1(116.74,62.45) v1(116.74,45.41) v1(116.81,39.47) v1(117.02,95.49) v1(117.28,102.57) v1(118.03,67.56) v1(118.07,78.18) v1(118.07,72.02) v1(118.09,56.28) v1(118.07,37.52) v1(118.39,99.33) v1(119.13,88.16) v1(119.21,111.2) v1(119.23,27.66) v1(119.41,38.35) v1(119.87,107.05) v1(119.93,68.86) v1(119.99,70.88) v1(119.99,64.15) v1(120.09,42.31) v1(120.33,110.11) v1(120.37,112.56) v1(120.41,83.62) v1(120.47,97.79) v1(120.44,75.01) v1(120.96,77.59) v1(121.27,106.63) v1(121.26,57.55) v1(121.55,51.35) v1(121.92,110.49) v1(122.1,76.47) v1(122.53,87.56) v1(122.51,83.68) v1(122.73,64.66) v1(123.28,69.21) v1(123.36,51.55) v1(123.41,42.98) v1(123.61,88.61) v1(123.59,79.94) v1(124.28,90.95) v1(124.26,73.21) v1(124.43,20.96) v1(124.87,65.61) v1(125.03,78.41) v1(125.03,61.46) v1(125.68,71.23) v1(125.82,67) v1(126.06,94.53) v1(126.15,87.66) v1(126.19,85.93) v1(126.32,47.93) v1(127.18,82.81) v1(127.41,92.77) v1(127.43,49.06) v1(127.46,59.84) v1(127.73,89.25) v1(128.25,83.8) v1(128.73,50.16) v1(128.94,90.41) v1(129.3,86.68) v1(129.4,60.59) v1(129.52,69.51) v1(129.64,71.43) v1(129.77,91.21) v1(130.15,88.31) v1(130.81,82.52) v1(131.09,92.27) v1(131.06,60.6) v1(131.06,49.93) v1(131.17,54.17) v1(131.24,79.14) v1(131.7,68.15) v1(131.69,65.76) v1(131.94,55.93) v1(132.51,81.43) v1(132.76,75.75) v1(132.76,51.61) v1(133.2,48.43) v1(133.34,70.88) v1(133.51,82.84) v1(133.5,62.3) v1(133.86,79.92) v1(134.73,77.76) v1(134.83,55.92) v1(134.87,73.97) v1(135.05,53.64) v1(135.64,48.07) v1(136.35,54.77) v1(136.58,80.26) v1(137.25,67.56) v1(137.29,64.09) v1(137.46,76.6) v1(137.68,78.21) v1(137.96,70.31) v1(138.08,79.78) v1(138.61,59.4) v1(139.08,66.28) v1(139.24,75.9) v1(139.41,77.52) v1(139.53,50.26) v1(139.62,79.45) v1(140.26,58.42) v1(140.4,63.54) v1(140.53,47.86) v1(140.73,46.36) v1(140.73,19.76) v1(140.76,71.62) v1(140.77,67.42) v1(142.23,45.56) v1(148.53,35.46)
BATTMID: length 38.6
  Top w0.4: v1(54.61,86.78) v1(52.33,78.45)
  Bottom w0.4: v1(54.61,86.78) 50.63,103.99 50.81,108.33 ; v1(52.33,78.45) 47.43,72.15
BATTMID2: length 45.3
  Top w0.4: v1(98.46,83.68) v1(98.52,87.56)
  Bottom w0.4: BT2.1 102.62,103.99 v1(98.52,87.56) ; BT3.2 99.66,71.16 arc(98.84,71.38) 98.48,72.15 98.48,83.66 v1(98.46,83.68)
BATTPLUS: length 71.7
  Top w0.4: v1(138.87,58.18) 118.35,39.57 arc(117.18,37.99) 116.71,36.07 BT3.1
  Bottom w0.4: SW9.3 140.47,82.78 139.53,59.59 arc(139.34,58.81) v1(138.87,58.18)
BTN_1: length 146.8
  Top w0.2: v1(125.85,96.58) 124.01,100.72 v1(120.4,105.77) ; SW1.1 SW1.2 v1(67.13,103.21)
  Bottom w0.2: v1(67.13,103.21) 96.64,109.86 arc(96.68,109.87) 96.72,109.88 J3.1 120.86,110.74 arc(121.1,110.33) 121.13,109.87 v1(120.4,105.77) ; v1(125.85,96.58) U1.4
BTN_2: length 144
  Top w0.2: v1(67.23,102.39) 51.53,90.56 arc(51.34,90.37) 51.21,90.13 49.33,85.53 arc(49.23,85.33) 49.08,85.17 24.28,62.29 arc(24.27,62.28) 24.26,62.27 SW2.1 SW2.2 ; v1(113.72,111.67) 116.64,107.1 arc(116.65,107.09) 116.66,107.08 v1(125.28,93.01)
  Bottom w0.2: v1(67.23,102.39) 96.72,109.31 arc(96.77,109.32) 96.81,109.33 v1(113.72,111.67) ; v1(125.28,93.01) U1.5
BTN_3: length 159.6
  Top w0.2: v1(67.31,101.44) 51.88,90.26 arc(51.67,90.05) 51.52,89.79 49.83,85.05 arc(49.73,84.84) 49.58,84.67 v1(24.04,59.99) ; v1(126.28,91.84) 126.07,92.09 arc(125.75,92.34) 125.36,92.44 124.88,92.47 v1(121.03,98.41) ; v1(120.83,102.63) 116.78,109.15 116.77,109.17 v1(115.42,111.28)
  Top w0.25: SW3.2 v1(10.26,52.81) SW3.1
  Bottom w0.2: U1.6 v1(126.28,91.84) ; v1(115.42,111.28) 106.45,110.28 arc(106.44,110.28) 106.42,110.27 99.35,109.26 arc(99.31,109.25) 99.27,109.24 96.88,108.68 v1(67.31,101.44) ; v1(120.83,102.63) 119.94,101.76 arc(119.91,101.74) 119.89,101.71 119.43,101.19 arc(119.23,100.85) 119.19,100.46 119.2,100.25 arc(119.27,99.95) 119.43,99.68 119.67,99.4 arc(119.76,99.3) 119.87,99.21 v1(121.03,98.41) ; v1(24.04,59.99) v1(10.26,52.81)
BTN_4: length 159.2
  Top w0.2: v1(114.76,113.32) 119.67,105.75 119.69,105.71 v1(123.39,100.51)
  Top w0.25: v1(19.66,59.87) SW4.1 SW4.2 ; v1(25.82,72.86) v1(67.05,104.15)
  Bottom w0.2: v1(114.76,113.32) 96.3,110.59 arc(96.27,110.59) 96.23,110.58 v1(67.05,104.15) ; v1(123.39,100.51) 124.73,95.78 arc(124.8,95.54) 124.81,95.3 124.55,92.21 arc(124.6,91.81) 124.81,91.46 U1.8
  Bottom w0.25: v1(19.66,59.87) v1(25.82,72.86)
BTN_5: length 158.7
  Top w0.2: SW5.1 SW5.2 25.05,26.53 arc(24.34,26.83) 24.05,27.53 24.05,27.56 25.17,49.31 arc(25.24,49.68) 25.44,50 30.61,55.5 arc(30.78,55.75) 30.87,56.04 32.46,66.49 arc(32.56,66.79) 32.75,67.05 50.67,84.56 50.69,84.58 56.88,91.09 arc(57.22,91.32) 57.63,91.4 109.19,90.26 arc(109.54,90.31) 109.84,90.48 v1(115.01,94.67)
  Bottom w0.2: v1(115.01,94.67) 116.39,94.77 arc(116.78,94.72) 117.13,94.52 121.07,90.98 arc(121.29,90.83) 121.53,90.75 124.46,90.15 arc(124.72,90.05) 124.95,89.89 U1.9
BTN_6: length 146.3
  Top w0.2: SW6.1 35.07,33.65 35.21,33.79 33.88,66.46 arc(33.95,66.87) 34.18,67.21 51.18,84.17 51.21,84.2 57.04,90.45 arc(57.39,90.69) 57.79,90.77 110.91,89.79 arc(111.2,89.82) 111.46,89.94 112.59,90.65 arc(112.64,90.68) 112.68,90.71 v1(116.41,93.65)
  Top w0.25: SW6.2 SW6.1
  Bottom w0.2: U1.12 v1(116.41,93.65)
BTN_7: length 42.3
  Top w0.2: v1(117.44,85.52) 121.81,78.47 arc(122.95,75.95) 123.38,73.21 arc(123.62,71.24) 124.22,69.34 SW7.2
  Top w0.25: SW7.2 v1(132.68,53.55) ; v1(133.73,51.88) SW7.1
  Bottom w0.2: U1.19 v1(117.44,85.52)
  Bottom w0.25: v1(132.68,53.55) v1(133.73,51.88)
BTN_8: length 52.7
  Top w0.2: 140.77,65.16 131.56,67.25 arc(129.62,67.99) 127.96,69.25 v1(126.8,70.44) ; v1(116.16,85.45) v1(122.96,71)
  Top w0.25: SW8.2 SW8.1
  Bottom w0.2: U1.20 v1(116.16,85.45) ; v1(122.96,71) v1(126.8,70.44)
C0: length 62.3
  Top w0.2: D19.1 84.1,45.89 84.08,45.91 arc(83.1,46.56) 81.95,46.79 U11.5
  Top w0.25: v1(86.1,42.23) 85.71,42.23 arc(85.33,42.31) 85,42.52 D20.1 D19.1 ; v1(73.68,36.67) 73.6,36.59 60.95,36.59 arc(59.8,36.82) 58.83,37.47 53.69,42.61 arc(53.36,42.83) 52.98,42.9 D18.1 D13.1
  Bottom w0.25: v1(73.68,36.67) 73.7,36.64 79.41,36.64 arc(80.56,36.87) 81.53,37.52 86.1,42.09 v1(86.1,42.23)
C1: length 72.4
  Top w0.2: v1(86.75,41.67) 86.73,41.69 85.76,41.69 arc(84.61,41.92) 83.64,42.57 83.52,42.69 arc(83.31,43.01) 83.23,43.39 83.23,43.7 arc(83.15,44.08) 82.94,44.4 81.34,46 81.33,45.99 U11.3
  Top w0.25: D26.1 54.64,42.9 v1(54.63,42.92) 59.28,38.27 arc(60.25,37.62) 61.4,37.39 82.14,37.39 arc(82.52,37.47) 82.85,37.69 v1(83.35,38.19) ; D24.1 54.57,48.9 v1(54.55,48.92) ; D25.1 54.56,45.9 v1(54.55,45.89) ; D23.1 54.59,51.9 v1(54.55,51.87) ; D22.1 54.59,54.9 v1(54.55,54.94) ; D27.1 D28.1 86.89,42.14 86.89,42.03 86.75,41.89 v1(86.75,41.67) ; D21.1 54.67,57.9 v1(54.63,57.94)
  Bottom w0.25: v1(54.63,42.92) 54.55,42.92 v1(54.55,45.89) v1(54.55,48.92) v1(54.55,51.87) v1(54.55,54.94) 54.55,57.87 v1(54.63,57.94) ; v1(86.75,41.67) 83.35,38.27 v1(83.35,38.19)
C2: length 77.5
  Top w0.2: U11.2 80.79,45.59 arc(81.18,45.52) 81.5,45.3 82.53,44.27 arc(82.74,43.95) 82.82,43.57 82.82,43.22 arc(82.9,42.84) 83.11,42.52 83.65,41.98 arc(84.62,41.33) 85.77,41.1 87.54,41.1 arc(88.69,41.33) 89.66,41.98 v1(89.75,42.07)
  Top w0.25: D29.1 58.86,57.89 v1(57.63,57.89) ; v1(57.6,45.97) 57.67,45.9 D33.1 ; v1(57.6,51.84) 57.66,51.9 D31.1 ; D34.1 57.64,42.9 v1(57.6,42.87) 61.63,38.85 arc(62.6,38.2) 63.75,37.97 80.73,37.97 arc(81.04,38.02) 81.32,38.16 81.76,38.48 arc(82.09,38.69) 82.47,38.77 90.15,38.77 v1(90.3,38.62) ; v1(89.75,42.07) 89.81,42.07 D36.1 D35.1 ; v1(57.6,48.84) 57.66,48.9 D32.1 ; v1(57.6,54.74) 57.64,54.7 D30.1
  Bottom w0.25: v1(57.6,42.87) v1(57.6,45.97) v1(57.6,48.84) v1(57.6,51.84) v1(57.6,54.74) 57.6,57.87 v1(57.63,57.89) ; v1(90.3,38.62) 90.3,41.11 arc(90.23,41.49) 90.01,41.81 v1(89.75,42.07)
C3: length 68.8
  Top w0.2: D42.1 61.86,42.89 v1(60.69,42.89) ; v1(77.33,41.02) 77.33,40.3 77.32,40.29 v1(77.32,38.78) 80.02,38.78 arc(80.41,38.86) 80.73,39.07 80.98,39.32 arc(81.3,39.53) 81.68,39.61 89.07,39.61 arc(90.21,39.84) 91.19,40.49 93.59,42.89 D44.1 D43.1 ; v1(80.24,43.96) 80.24,43.97 80.25,43.98 80.25,45.18 U11.1 ; D41.1 60.74,45.9 v1(60.69,45.96) ; v1(60.69,48.87) 60.72,48.9 D40.1 ; v1(60.69,51.88) 60.71,51.9 D39.1 ; D38.1 60.69,54.7 v1(60.69,54.7) ; v1(60.69,57.93) 60.71,57.9 D37.1
  Bottom w0.2: v1(60.69,57.93) v1(60.69,54.7) v1(60.69,51.88) v1(60.69,48.87) v1(60.69,45.96) v1(60.69,42.89) 63.92,39.66 arc(64.89,39.01) 66.04,38.78 v1(77.32,38.78) ; v1(77.33,41.02) 77.33,41.05 v1(80.24,43.96)
C4: length 81.6
  Top w0.2: v1(89.41,40.77) 89.36,40.72 83.09,40.72 arc(81.94,40.95) 80.97,41.6 80.47,42.1 arc(79.82,43.07) 79.59,44.22 U11.20 ; v1(71.59,35.55) 82.67,35.55 arc(83.06,35.63) 83.38,35.84 84.47,36.93 arc(85.44,37.58) 86.59,37.81 v1(89.41,37.81) 89.43,37.81 arc(90.57,38.04) 91.55,38.69 95.46,42.6 arc(95.78,42.82) 96.17,42.89 D52.1 D51.1 ; D49.1 63.74,45.9 v1(63.74,45.91) ; v1(63.74,48.87) 63.77,48.9 D48.1 ; D45.1 64.86,57.89 v1(63.76,57.89) ; D50.1 63.75,42.9 v1(63.74,42.89) 63.36,42.51 arc(62.71,41.53) 62.48,40.39 v1(62.48,40.14) ; v1(63.74,54.9) 63.74,54.9 D46.1 ; D47.1 63.77,51.9 v1(63.74,51.94)
  Bottom w0.2: v1(71.59,35.55) 69.76,37.38 arc(68.78,38.03) 67.64,38.26 64.77,38.26 arc(64.39,38.34) 64.07,38.55 v1(62.48,40.14) ; v1(63.74,42.89) v1(63.74,45.91) v1(63.74,48.87) v1(63.74,51.94) v1(63.74,54.9) 63.74,57.87 v1(63.76,57.89) ; v1(89.41,40.77) v1(89.41,37.81)
C5: length 64.5
  Top w0.2: v1(66.83,57.91) 66.83,57.9 D53.1 ; v1(66.83,54.95) 66.87,54.9 D54.1 ; D55.1 66.83,51.9 v1(66.83,51.9) ; D56.1 66.84,48.9 v1(66.83,48.92) ; D57.1 66.9,45.9 v1(66.83,45.98) ; v1(98.46,42.9) 99.63,42.9 D60.1 D59.1 ; U11.19 79.19,44.08 arc(79.42,42.93) 80.07,41.96 80.82,41.21 arc(81.03,40.89) 81.11,40.51 v1(81.11,40.21) 88.9,40.21 89.57,40.22 arc(89.91,40.28) 90.2,40.45 v1(91.2,41.27) ; v1(66.83,42.91) 66.83,42.9 D58.1
  Bottom w0.2: v1(66.83,57.91) v1(66.83,54.95) v1(66.83,51.9) v1(66.83,48.92) v1(66.83,45.98) v1(66.83,42.91) 69.35,40.39 arc(70.32,39.74) 71.47,39.51 79.99,39.51 arc(80.38,39.59) 80.7,39.8 v1(81.11,40.21) ; v1(98.46,42.9) 98.16,42.6 arc(97.18,41.95) 96.04,41.72 92.06,41.72 arc(91.68,41.64) 91.36,41.43 v1(91.2,41.27)
